# Altium PCB LimePSB-RPCM_1v5.PcbDoc (part 4 of 12) (continued)
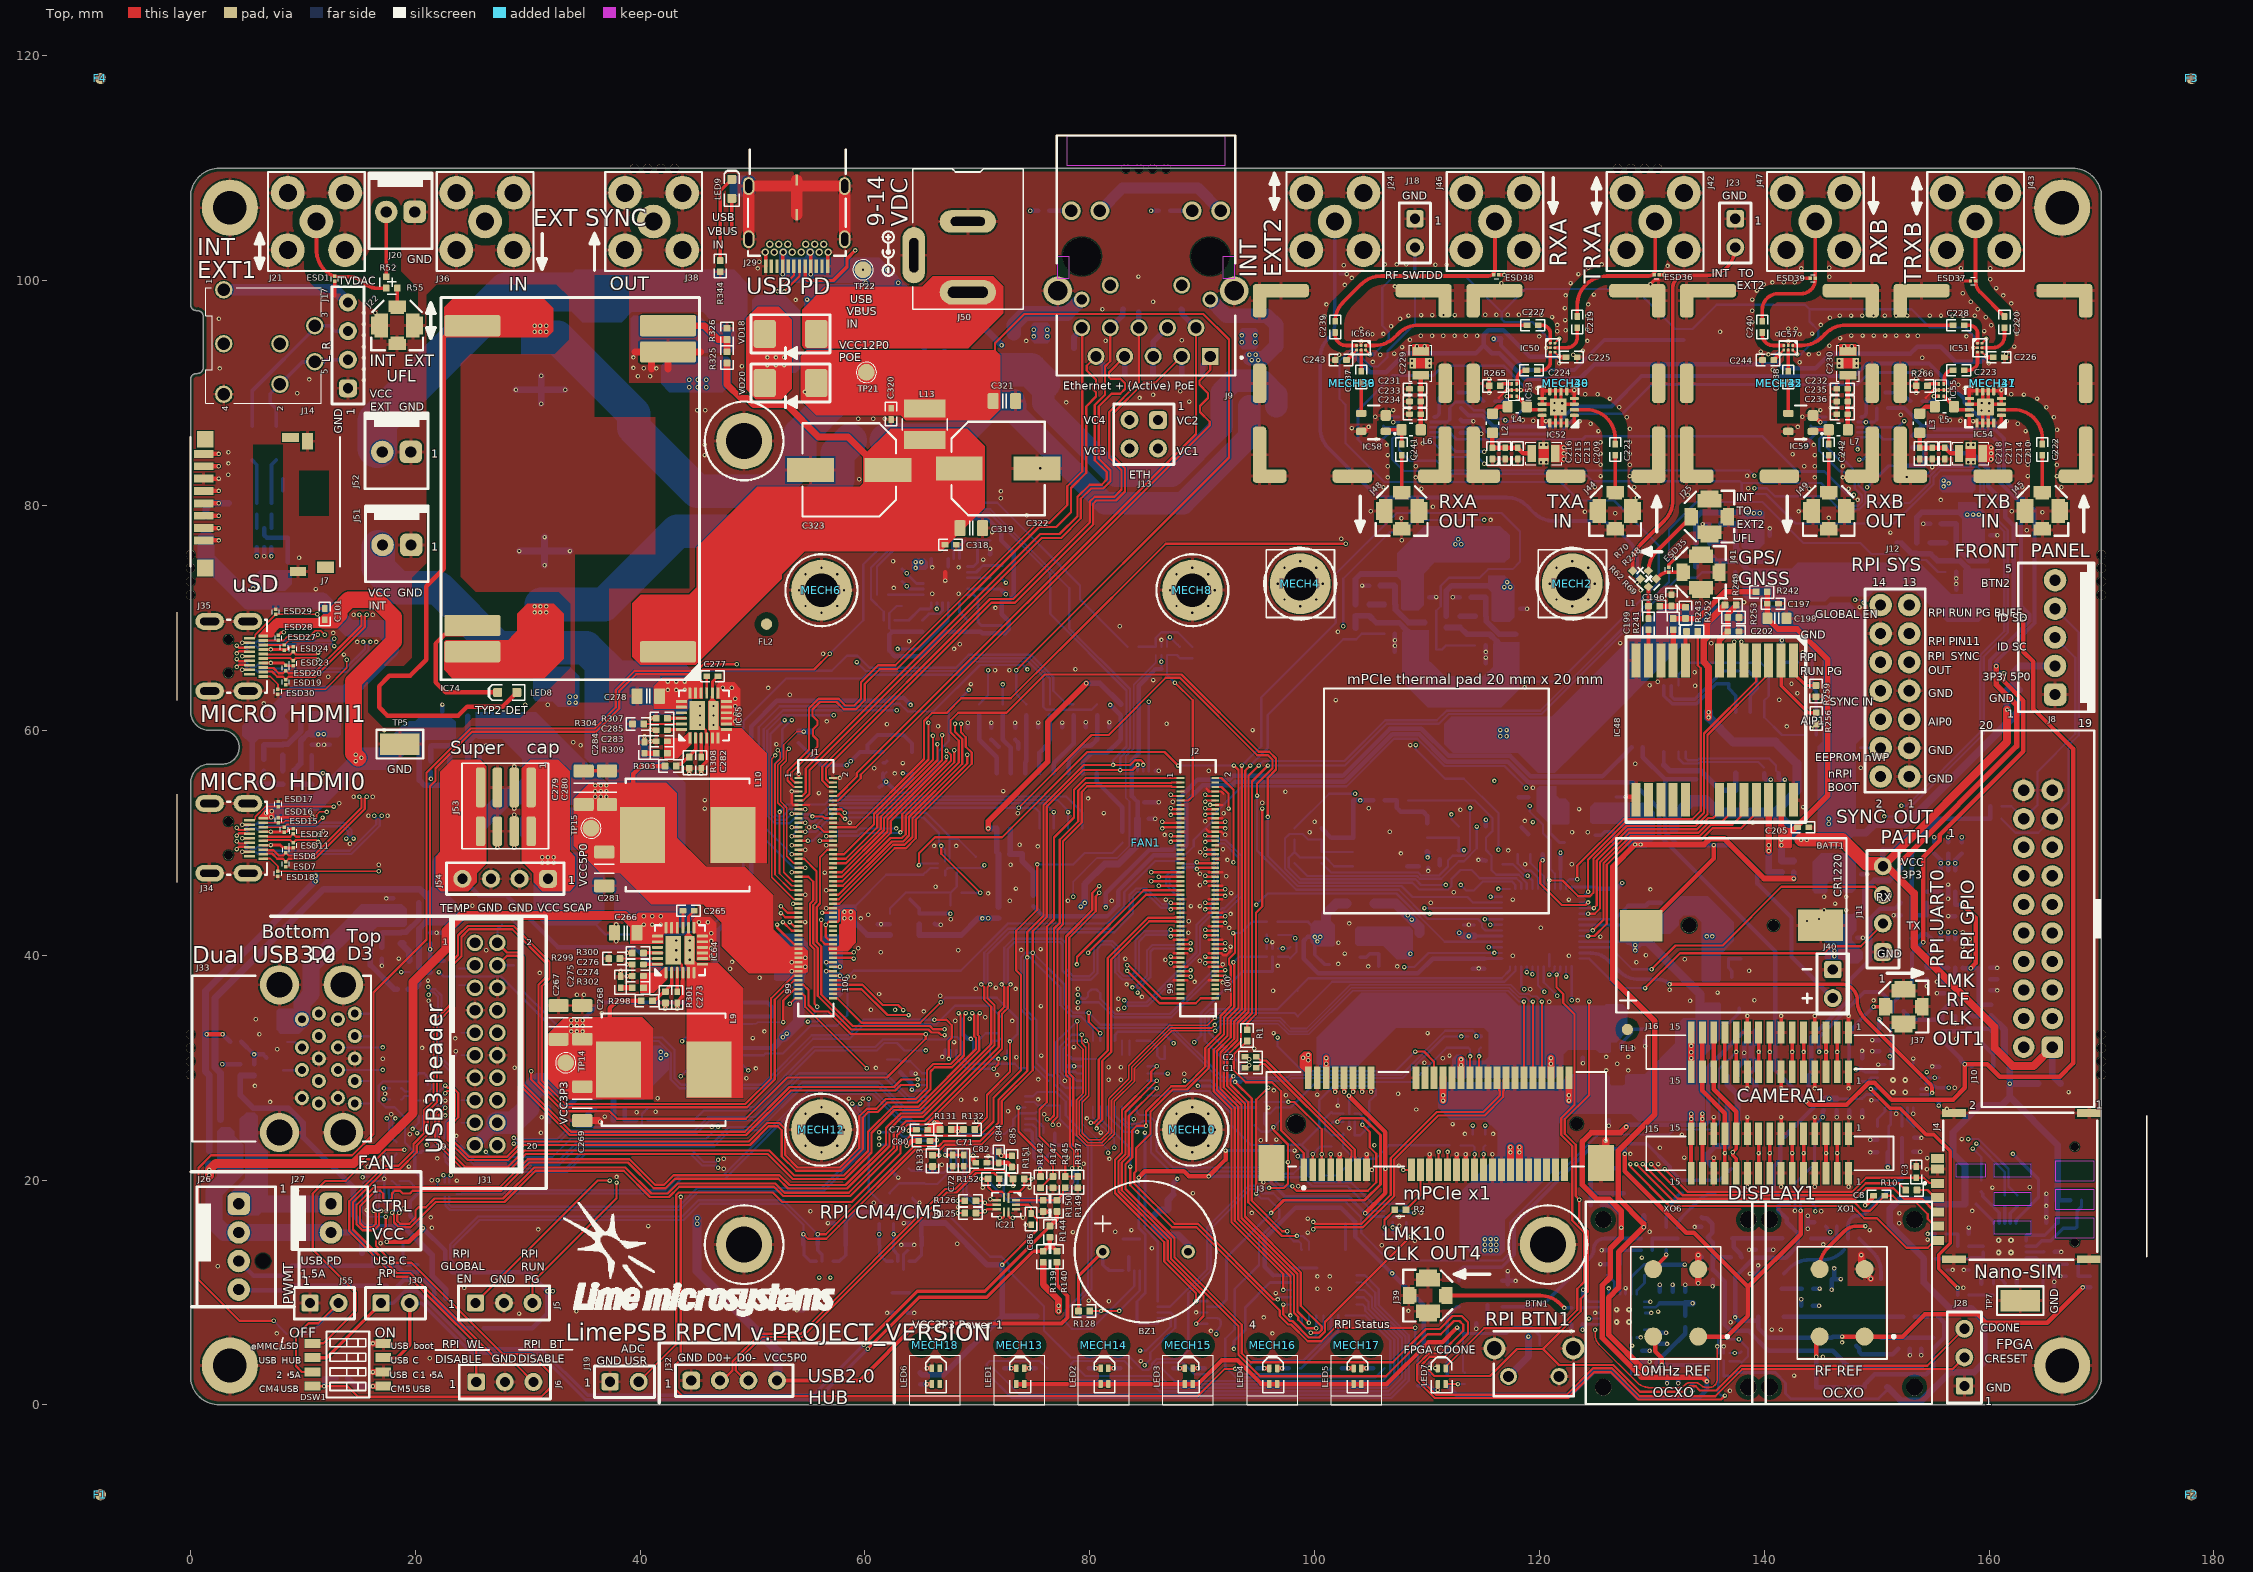
[diagram p0: Top view]
## Part data (continued)
R313 R321: library part Res_0402, Case/Package=0402, Case Code (Metric)=1005, Manufacturer=Yageo, Manufacturer Part Number 1=RC0402FR-071K2L, Max Operating Temperature=155°C, Max Power Dissipation=63mW, Min Operating Temperature=-55°C, Package Quantity=1, Resistance=1.2kR, Resistance Tolerance=1%, Resistor Type="Thick Film", Supplier Part Number 1=311-1.20KLRCT-ND, Temperature Coefficient=100ppm/°C, Voltage Rating=50V, Case Code (Imperial)=0402, ComponentLink1Description=https://datasheet.ciiva.com/11808/0900766b80c66297-11808455.pdf?src-supplier=RSComponents, ComponentLink1URL=https://datasheet.ciiva.com/11808/0900766b80c66297-11808455.pdf?src-supplier=RSComponents, ComponentLink2Description=https://datasheet.ciiva.com/2453/pyu-r-int-thick-7-2453467.pdf?src-supplier=Digi-Key, ComponentLink2URL=https://datasheet.ciiva.com/2453/pyu-r-int-thick-7-2453467.pdf?src-supplier=Digi-Key, ComponentLink3Description=https://datasheet.ciiva.com/2453/pyu-r-int-thick-7-2453468.pdf?src-supplier=Digi-Key, ComponentLink3URL=https://datasheet.ciiva.com/2453/pyu-r-int-thick-7-2453468.pdf?src-supplier=Digi-Key, ComponentLink4Description=https://datasheet.ciiva.com/2453/pyu-r-int-thick-7-2453466.pdf?src-supplier=Digi-Key, ComponentLink4URL=https://datasheet.ciiva.com/2453/pyu-r-int-thick-7-2453466.pdf?src-supplier=Digi-Key, ComponentLink5Description=https://datasheet.ciiva.com/7849/1018594-7849861.pdf?src-supplier=Element14, ComponentLink5URL=https://datasheet.ciiva.com/7849/1018594-7849861.pdf?src-supplier=Element14, ComponentLink6Description=https://datasheet.ciiva.com/7849/1018594-7849862.pdf?src-supplier=Element14, ComponentLink6URL=https://datasheet.ciiva.com/7849/1018594-7849862.pdf?src-supplier=Element14, ComponentLink7Description=https://datasheet.ciiva.com/15189/getdatasheetpartid-323716-15189366.pdf?src-supplier=Verical, ComponentLink7URL=https://datasheet.ciiva.com/15189/getdatasheetpartid-323716-15189366.pdf?src-supplier=Verical, ComponentLink8Description=https://datasheet.ciiva.com/16745/pyu-rc0402-51-rohs-l-6-r-16745005.pdf?src-supplier=Future+Electronics, ComponentLink8URL=https://datasheet.ciiva.com/16745/pyu-rc0402-51-rohs-l-6-r-16745005.pdf?src-supplier=Future+Electronics, Construction=Rectangular, Depth=0.5mm, Features="Moisture Resistant", Height=0.016inch, Lead Free="Lead Free", Length=1mm, Military Standard=Not, Number of Terminations=2, Packaging="Tape and Reel", Part Description="1.2 kOhms ±1% 0.063W, 1/16W Chip Resistor 0402 (1005 Metric) Moisture Resistant Thick Film", Power Rating=63mW, Pricing 1="1=0,10000, 10=0,01500, 100=0,00610, 1000=0,00275, 2500=0,00239, 5000=0,00197 (USD)", REACH SVHC=Unknown, RoHS=Yes, RoHS Compliant=Yes, Series=RC, Size Code=0402, Stock 1=1348237, Supplier 1=Digi-Key, Technology="THICK FILM", Termination=SMD/SMT, Tolerance=1%, Width=0.02inch
R316 R322: library part Res_0402, Manufacturer=Yageo, Manufacturer Part Number 1=RC0402FR-07510RL, Operating Temperature="-55°C ~ 155°C", Package / Case="0402 (1005 Metric)", Power (Watts)="0.063W, 1/16W", Supplier Device Package=0402, Supplier Part Number 1=311-510LRCT-ND, Temperature Coefficient=±100ppm/°C, Tolerance=±1%, Category=Resistors, Composition="Thick Film", Failure Rate=-, Features="Moisture Resistant", Height - Seated (Max)="0.016\" (0.40mm)", Packaging="Cut Tape (CT)", Part Description="510 Ohms ±1% 0.063W, 1/16W Chip Resistor 0402 (1005 Metric) Moisture Resistant Thick Film", Part Status=Active, RoHS="RoHS Compliant", Size / Dimension="0.039\" L x 0.020\" W (1.00mm x 0.50mm)", Supplier 1=Digi-Key
R318 R340 R341 R342: library part Res_0402, Manufacturer=Yageo, Manufacturer Part Number 1=RC0402FR-072K4L, Operating Temperature="-55°C ~ 155°C", Package / Case="0402 (1005 Metric)", Power (Watts)="0.063W, 1/16W", Resistance (Ohms)=2.4k, Supplier Device Package=0402, Supplier Part Number 1=311-2.40KLRCT-ND, Temperature Coefficient=±100ppm/°C, Tolerance=±1%, Category=Resistors, Composition="Thick Film", Failure Rate=-, Features="Moisture Resistant", Height - Seated (Max)="0.016\" (0.40mm)", Packaging="Cut Tape (CT)", Part Description="2.4 kOhms ±1% 0.063W, 1/16W Chip Resistor 0402 (1005 Metric) Moisture Resistant Thick Film", Part Status=Active, RoHS="RoHS Compliant", Size / Dimension="0.039\" L x 0.020\" W (1.00mm x 0.50mm)", Supplier 1=Digi-Key
R323 R324: library part Res_0402, Manufacturer=Yageo, Manufacturer Part Number 1=RC0402FR-0768RL, Operating Temperature="-55°C ~ 155°C", Package / Case="0402 (1005 Metric)", Power (Watts)="0.063W, 1/16W", Supplier Device Package=0402, Supplier Part Number 1=311-68.0LRCT-ND, Temperature Coefficient=±100ppm/°C, Tolerance=±1%, Category=Resistors, ComponentLink1Description=http://www.yageo.com/documents/recent/PYu-RC_Group_51_RoHS_L_9.pdf, ComponentLink1URL=http://www.yageo.com/documents/recent/PYu-RC_Group_51_RoHS_L_9.pdf, Composition="Thick Film", Failure Rate=-, Features="Moisture Resistant", Height - Seated (Max)="0.016\" (0.40mm)", Packaging="Cut Tape (CT)", Part Description="68 Ohms ±1% 0.063W, 1/16W Chip Resistor 0402 (1005 Metric) Moisture Resistant Thick Film", Part Status=Active, Pricing 1="1=0.1, 10=0.014, 100=0.0056, 1000=0.00253, 2500=0.0022, 5000=0.00181 (USD)", RoHS="RoHS Compliant", Size / Dimension="0.039\" L x 0.020\" W (1.00mm x 0.50mm)", Stock 1=1011982, Supplier 1=Digi-Key
R325: library part Res_0402, Case/Package=0402, Case Code (Metric)=1005, Manufacturer=Yageo, Manufacturer Part Number 1=RC0402FR-0768KL, Max Operating Temperature=155°C, Max Power Dissipation=63mW, Min Operating Temperature=-55°C, Package Quantity=1, Resistance=68kR, Resistance Tolerance=1%, Resistor Type="Thick Film", Supplier Part Number 1=311-68.0KLRCT-ND, Temperature Coefficient=100ppm/°C, Voltage Rating=50V, Case Code (Imperial)=0402, ComponentLink1Description=https://datasheet.ciiva.com/12576/pyu-ac-51-rohs-l-2-12576779.pdf?src-supplier=Mouser, ComponentLink1URL=https://datasheet.ciiva.com/12576/pyu-ac-51-rohs-l-2-12576779.pdf?src-supplier=Mouser, ComponentLink2Description=https://datasheet.ciiva.com/2553/pyu-r-int-thick-7-2553216.pdf?src-supplier=Digikey, ComponentLink2URL=https://datasheet.ciiva.com/2553/pyu-r-int-thick-7-2553216.pdf?src-supplier=Digikey, ComponentLink3Description=https://datasheet.ciiva.com/2553/pyu-r-int-thick-7-2553217.pdf?src-supplier=Digikey, ComponentLink3URL=https://datasheet.ciiva.com/2553/pyu-r-int-thick-7-2553217.pdf?src-supplier=Digikey, ComponentLink4Description=https://datasheet.ciiva.com/2553/pyu-r-int-thick-7-2553215.pdf?src-supplier=Digikey, ComponentLink4URL=https://datasheet.ciiva.com/2553/pyu-r-int-thick-7-2553215.pdf?src-supplier=Digikey, ComponentLink5Description=https://datasheet.ciiva.com/7850/1018594-7850072.pdf?src-supplier=Element14, ComponentLink5URL=https://datasheet.ciiva.com/7850/1018594-7850072.pdf?src-supplier=Element14, ComponentLink6Description=https://datasheet.ciiva.com/7850/1018594-7850073.pdf?src-supplier=Element14, ComponentLink6URL=https://datasheet.ciiva.com/7850/1018594-7850073.pdf?src-supplier=Element14, ComponentLink7Description=https://datasheet.ciiva.com/16781/pyu-rc0402-51-rohs-l-6-r-16781001.pdf?src-supplier=Future+Electronics, ComponentLink7URL=https://datasheet.ciiva.com/16781/pyu-rc0402-51-rohs-l-6-r-16781001.pdf?src-supplier=Future+Electronics, Construction=Rectangular, Depth=0.5mm, Features="Moisture Resistant", Height=0.016inch, Lead Free=5697LeadFree, Length=0.039inch, Military Standard=Not, Number of Terminations=2, Packaging="Tape and Reel", Part Description="68 kOhms ±1% 0.063W, 1/16W Chip Resistor 0402 (1005 Metric) Moisture Resistant Thick Film", Power Rating=63mW, Pricing 1="1=0,1, 10=0,009, 50=0,0072, 500=0,0051, 5000=0,00306 (USD)", Reach SVHC Compliant=Unknown, RoHS=Yes, RoHS Compliant=Yes, Series=RC, Size Code=0402, Stock 1=520340, Supplier 1=Digikey, Termination=SMD/SMT, Tolerance=1%, Voltage Rating (AC)=50V, Width=0.02inch
R334 R335 R336 R337: library part Res_0603, Case/Package=0402, Case Code (Metric)=1005, Manufacturer=Yageo, Manufacturer Part Number 1=RC0402JR-075K1L, Max Operating Temperature=155°C, Max Power Dissipation=63mW, Min Operating Temperature=-55°C, Power Rating=62.5mW, Resistance=5.1kR, Resistance Tolerance=5%, Resistor Type="Thick Film", Supplier Part Number 1=311-5.1KJRCT-ND, Temperature Coefficient=100ppm/°C, Voltage Rating=50V, Case Code (Imperial)=0402, ComponentLink1Description=https://datasheet.ciiva.com/7983/1018594-7983595.pdf?src-supplier=Element14, ComponentLink1URL=https://datasheet.ciiva.com/7983/1018594-7983595.pdf?src-supplier=Element14, ComponentLink2Description=https://datasheet.ciiva.com/16740/pyu-rc0402-51-rohs-l-6-r-16740925.pdf?src-supplier=Future+Electronics, ComponentLink2URL=https://datasheet.ciiva.com/16740/pyu-rc0402-51-rohs-l-6-r-16740925.pdf?src-supplier=Future+Electronics, Construction=Rectangular, Depth=0.5mm, Features="Moisture Resistant", Height=0.35mm, Lead Free="Lead Free", Length=1mm, Military Standard=Not, Number of Terminations=2, Packaging="Tape and Reel", Part Description="RES 5.1K OHM 5% 1/16W 0402", Pricing 1="1=0,10000, 10=0,01300, 100=0,00520, 1000=0,00233, 2500=0,00202, 5000=0,00167 (USD)", REACH SVHC="No SVHC", RoHS=Yes, RoHS Compliant=Yes, Series=RC, Size Code=0402, Stock 1=1066675, Supplier 1=Digi-Key, Termination=SMD/SMT, Tolerance=5%, Voltage Rating (DC)=50V, Weight=2.3E-05oz, Width=0.5mm
TP1 TP2 TP3 TP4 TP9 TP10 TP11 TP12 TP13 TP14 TP15 TP16 TP17 TP18 TP19 TP20 TP21 TP22: "Test Point PCB mount Miniature White"
TP5 TP6 TP7 TP8: "Test Point PCB mount Miniature White", Color=Natural, Manufacturer="Harwin Inc", Manufacturer Part Number 1=S1751-46R, Supplier Part Number 1=952-1478-2-ND, Category="Test and Measurement", Material="Copper Alloy", Mounting Type="Surface Mount", Packaging="Tape & Reel (TR)", Part Description="Natural PC Test Point 0.128\" x 0.065\" x 0.079\" (3.25mm x 1.65mm x 2.00mm) Brass, Tin Plating Surface Mount Mounting Type", RoHS="RoHS Compliant", Supplier 1=Digi-Key, Terminal="0.128\" x 0.065\" x 0.079\" (3.25mm x 1.65mm x 2.00mm) Brass, Tin Plated", Type="PC Test Point"
VD1 VD2 VD3 VD4 VD5 VD6 VD7 VD8 VD10 VD11 VD12 VD13 VD14 VD15 VD16 VD17: library part DIODE_TVS, Manufacturer="Sangdest Microelectronics", Manufacturer Part Number=SD03LCC, Supplier Part Number 1=1655-SD03LCCCT-ND, ComponentLink1Description=https://datasheet.ciiva.com/29588/littelfuse-tvs-diode-array-sp4020-datasheet-pdf-29588193.pdf?src-supplier=Digi-Key, ComponentLink1URL=https://datasheet.ciiva.com/29588/littelfuse-tvs-diode-array-sp4020-datasheet-pdf-29588193.pdf?src-supplier=Digi-Key, ComponentLink2Description=https://datasheet.ciiva.com/24111/littelfuse-sp4020-267385-24111169.pdf?src-supplier=Mouser, ComponentLink2URL=https://datasheet.ciiva.com/24111/littelfuse-sp4020-267385-24111169.pdf?src-supplier=Mouser, Manufacturer 1="Sangdest Microelectronics", Manufacturer Part Number 1=SD03LCC, Part Description="19V Clamp 20A (8/20µs) Ipp Tvs Diode Surface Mount SOD-323", Pricing 1="1=0,37000, 10=0,27300, 100=0,15460, 500=0,10240, 1000=0,07851 (USD)", RoHS=No, Stock 1=8808, Supplier 1=Digi-Key
VD9 VD18 VD19 VD20 VD22: library part DIODE_SCHOTTKY_SOD-523F, "Diode Schottky SMD SOD-523F", Capacitance @ Vr, F="250pF @ 4V, 1MHz", Current - Average Rectified (Io)=3A, Current - Reverse Leakage @ Vr="500µA @ 60V", Manufacturer="Micro Commercial Co", Manufacturer Part Number 1=SK36A-LTP, Operating Temperature - Junction="-50°C ~ 125°C", Package / Case="DO-214AC, SMA", Supplier Device Package="DO-214AC (SMA)", Supplier Part Number 1=SK36A-LTPMSCT-ND, Voltage - DC Reverse (Vr) (Max)=60V, Voltage - Forward (Vf) (Max) @ If="750mV @ 3A", Category="Discrete Semiconductor Products", Diode Type=Schottky, Mounting Type="Surface Mount", Packaging="Cut Tape (CT)", Part Description="DIODE SCHOTTKY 60V 3A DO214AC", Reverse Recovery Time (trr)=-, RoHS="RoHS Compliant", Speed="Fast Recovery =< 500ns, > 200mA (Io)", Supplier 1=Digi-Key
VD21: library part DIODE_TVS_UNIDIR, "SMAJ12CA-13-F", Breakdown Voltage=15.6V, Case/Package=DO-214AA, Clamping Voltage=23.2V, Manufacturer="Taiwan Semiconductor", Max Operating Temperature=150°C, Max Surge Current=100A, Min Operating Temperature=-65°C, Operating Supply Voltage=14V, Package Quantity=3000, Peak Pulse Power=600W, Supplier Part Number 1=SMBJ14AFSCT-ND, ComponentLink1Description=http://www.farnell.com/datasheets/2358777.pdf?src-supplier=Farnell, ComponentLink1URL=http://www.farnell.com/datasheets/2358777.pdf?src-supplier=Farnell, ComponentLink2Description=http://www.mouser.com/ds/2/395/SMBJ%20SERIES-231843.pdf?src-supplier=Mouser, ComponentLink2URL=http://www.mouser.com/ds/2/395/SMBJ%20SERIES-231843.pdf?src-supplier=Mouser, ComponentLink3Description=http://www.farnell.com/datasheets/2358777.pdf?src-supplier=Element14, ComponentLink3URL=http://www.farnell.com/datasheets/2358777.pdf?src-supplier=Element14, Height=2.44mm, Lead Free="Lead Free", Length=5.59mm, Manufacturer Part Number 1=SMBJ14A, Number of Channels=1, Number of Pins=2, Packaging="Tape and Reel", Part Description="23.2V Clamp 25.9A Ipp Tvs Diode Surface Mount DO-214AA (SMB)", Polarity=Unidirectional, Power Rating=600W, Pricing 1="1=0,54000, 10=0,46400, 100=0,34630, 500=0,27212, 1000=0,21028 (USD)", RoHS=Yes, RoHS Compliant=Yes, Stock 1=17494, Supplier 1=Digi-Key, Voltage Rating (DC)=14V, Width=3.94mm
VD23: library part DIODE_TVS_UNIDIR, Base Part Number=SMAJ58, Capacitance @ Frequency=-, Current - Peak Pulse (10/1000µs)=4.3A, Manufacturer="Diodes Incorporated", Manufacturer Part Number 1=SMAJ58A-13-F, Operating Temperature="-55°C ~ 150°C (TJ)", Package / Case="DO-214AC, SMA", Power - Peak Pulse=400W, Power Line Protection=No, Supplier Device Package=SMA, Supplier Part Number 1=SMAJ58A-13-FDICT-ND, Voltage - Breakdown (Min)=64.4V, Voltage - Clamping (Max) @ Ipp=93.6V, Voltage - Reverse Standoff (Typ)=58V, Applications="General Purpose", Category="Circuit Protection", Mounting Type="Surface Mount", Packaging="Cut Tape (CT)", Part Description="TVS DIODE 58V 93.6V SMA", Part Status=Active, RoHS="RoHS Compliant", Supplier 1=Digi-Key, Type=Zener
VT1 VT2: library part NDS331N, "NDS331N", Current - Continuous Drain (Id) @ 25°C="6.3A (Ta)", Drive Voltage (Max Rds On,  Min Rds On)="2.5V, 4.5V", Input Capacitance (Ciss) (Max) @ Vds="700pF @ 16V", Manufacturer="Infineon Technologies", Manufacturer Part Number 1=IRLML6244TRPBF, Operating Temperature="-55°C ~ 150°C (TJ)", Package / Case="TO-236-3, SC-59, SOT-23-3", Power Dissipation (Max)="1.3W (Ta)", Supplier Device Package=Micro3™/SOT-23, Supplier Part Number 1=IRLML6244TRPBFTR-ND, Category="Discrete Semiconductor Products", ComponentLink1Description=https://www.infineon.com/dgdl/irlml6244pbf.pdf?fileId=5546d462533600a4015356686fed261f, ComponentLink1URL=https://www.infineon.com/dgdl/irlml6244pbf.pdf?fileId=5546d462533600a4015356686fed261f, FET Feature=-, FET Type=N-Channel, Gate Charge (Qg) (Max) @ Vgs="8.9nC @ 4.5V", Mounting Type="Surface Mount", Packaging="Tape & Reel (TR)", Part Description="N-Channel 20V 6.3A (Ta) 1.3W (Ta) Surface Mount Micro3™/SOT-23", Part Status=Active, Pricing 1="3000=0.09979 (USD)", Rds On (Max) @ Id, Vgs="21 mOhm @ 6.3A, 4.5V", RoHS="RoHS Compliant", Stock 1=21000, Supplier 1=Digi-Key, Technology="MOSFET (Metal Oxide)", Vgs (Max)=±12V, Vgs(th) (Max) @ Id="1.1V @ 10µA"
XO1: library part AOCJYR-10.000MHz, Frequency Nom, MHz=30.72, Frequency Stability +/-, ppb=20, Manufacturer=Rakon, Oscillator Case="SMD, 9.7mm x 7.5", Supplier Part Number 1=U7475LF, Supply Voltage Nom=3.3, Manufacturer Part Number 1="U7475LF 30.72MHz", Oscillator Output Compatibility=CMOS, Part Description="ROM9070SA 30.72MHz MERC+ 9x7 HOT RC2.5 3.3V PULL", Supplier 1=Rakon
XO2 XO7: library part RPT7050A, Manufacturer=Rakon, Manufacturer Part Number 1=E6245LF, Part Description="TCXO 30.72MHz, E6245LF", Supplier 1=Rakon, Supplier Part Number 1=E6245LF
XO3 XO8: library part TXCO, Manufacturer=Rakon, Manufacturer Part Number 1=E5280LF, Part Description="TCXO 30.72MHz, E5280LF", Supplier 1=Rakon, Supplier Part Number 1=E5280LF
XO4 XO9: library part Rakon_RTX5032A, Manufacturer=Rakon, Manufacturer Part Number 1=RTX5032A, Part Description="RTX5032A 40MHz, High performance TCXO, With VC, Filter Enabled, 10-pin 5mm x 3.2 mm x 1.65 mm package", Supplier 1=RAKON, Supplier Part Number 1=RTX5032A
XO5 XO10: library part ASVTX-12-A-38.400MHZ-H10-T_CRYSTAL, "Oscillator Crystal", Case/Package=SMD/SMT, Frequency=38.4MHz, Frequency Stability=1ppm, Manufacturer=Abracon, Manufacturer Part Number 1=ASVTX-12-A-38.400MHZ-H10-T, Max Operating Temperature=85°C, Max Supply Current=2.5mA, Min Operating Temperature=-30°C, Operating Supply Voltage=3V, Package Quantity=1000, Supplier Part Number 1=535-11790-1-ND, ComponentLink1Description=https://datasheet.ciiva.com/5466/astx12-asvtx12-8609-5466673.pdf?src-supplier=Mouser, ComponentLink1URL=https://datasheet.ciiva.com/5466/astx12-asvtx12-8609-5466673.pdf?src-supplier=Mouser, ComponentLink2Description=https://datasheet.ciiva.com/867/astx12-asvtx12-867453.pdf?src-supplier=Digi-Key, ComponentLink2URL=https://datasheet.ciiva.com/867/astx12-asvtx12-867453.pdf?src-supplier=Digi-Key, ComponentLink3Description=https://datasheet.ciiva.com/867/astx12-asvtx12-867454.pdf?src-supplier=Digi-Key, ComponentLink3URL=https://datasheet.ciiva.com/867/astx12-asvtx12-867454.pdf?src-supplier=Digi-Key, ComponentLink4Description=https://datasheet.ciiva.com/867/astx12-asvtx12-867455.pdf?src-supplier=Digi-Key, ComponentLink4URL=https://datasheet.ciiva.com/867/astx12-asvtx12-867455.pdf?src-supplier=Digi-Key, Height=0.035inch, Length=0.098inch, Mount="Surface Mount", Packaging="Tape and Reel", Part Description="38.4MHz VCTCXO Clipped Sine Wave Oscillator 3V  4-SMD, No Lead", Pricing 1="1 = 3,58000, 10 = 3,41000, 50 = 3,23960, 100 = 2,89850, 500 = 2,72800 (USD)", RoHS=Yes, Stock 1=1680, Supplier 1=Digi-Key, Termination=SMD/SMT, Width=0.079inch
XO6: library part AOCJYR-10.000MHz, Frequency Nom, MHz=10.0, Frequency Stability +/-, ppb=20, Manufacturer=Rakon, Manufacturer Part Number 1=U8073LF, Oscillator Case="SMD, 9.7mm x 7.5", Supply Voltage Nom=3.3, Oscillator Output Compatibility=CMOS, Part Description="ROM9070PA 10.0MHz MERC+ 9x7 HOT CMOS 3.3V PULL", Supplier 1=Rakon, Supplier Part Number 1=U8073LF
XT1: library part CRYSTAL_2PIN_RTC_RT3215, Manufacturer="Raltron Electronics", Manufacturer Part Number 1=RT3215-32.768-12.5-TR-10PPM, Supplier Part Number 1=2151-RT3215-32.768-12.5-TR-10PPMTR-ND, ComponentLink1Description=https://datasheet.octopart.com/RT3215-32.768-12.5-TR-10PPM-Raltron-Electronics-datasheet-12522443.pdf?src-supplier=Future+Electronics, ComponentLink1URL=https://datasheet.octopart.com/RT3215-32.768-12.5-TR-10PPM-Raltron-Electronics-datasheet-12522443.pdf?src-supplier=Future+Electronics, ComponentLink2Description=https://datasheet.octopart.com/RT3215-32.768-12.5-TR-10PPM-Raltron-Electronics-datasheet-62112304.pdf?src-supplier=Future+Electronics, ComponentLink2URL=https://datasheet.octopart.com/RT3215-32.768-12.5-TR-10PPM-Raltron-Electronics-datasheet-62112304.pdf?src-supplier=Future+Electronics, ComponentLink3Description=https://datasheet.octopart.com/RT3215-32.768-12.5-TR-10PPM-Raltron-Electronics-datasheet-82614827.pdf?src-supplier=Future+Electronics, ComponentLink3URL=https://datasheet.octopart.com/RT3215-32.768-12.5-TR-10PPM-Raltron-Electronics-datasheet-82614827.pdf?src-supplier=Future+Electronics, Lead Free="Lead Free", Part Description="32.768 kHz ±10ppm Crystal 12.5pF 70 kOhms 2-SMD, No Lead", Pricing 1="3000=0,39875, 6000=0,38500, 15000=0,37125 (USD)", RoHS Compliant=Yes, Stock 1=21000, Supplier 1=Digi-Key
XT2: library part CRYSTAL_19M2, "Oscillator Crystal 25 MHz", Manufacturer=Abracon, Manufacturer Part Number 1=ABM8-24.000MHZ-D1G-T, Supplier Part Number 1=535-14395-1-ND, ComponentLink1Description=https://abracon.com/Resonators/abm8.pdf?src-supplier=Digi-Key, ComponentLink1URL=https://abracon.com/Resonators/abm8.pdf?src-supplier=Digi-Key, Part Description="24 MHz ±10ppm Crystal 18pF 50 Ohms 4-SMD, No Lead", Pricing 1="1=0,47000, 10=0,39100, 50=0,35220, 100=0,31310, 500=0,29744 (USD)", RoHS=Yes, RoHS Compliant=Yes, Stock 1=15503, Supplier 1=Digi-Key

## Free pads (board coordinates)
  round 0.8 hole 0.8 unplated: 0(0,29.375) 0(0,30.55) 0(0,31.75) 0(0,32.95) 0(0,72.05) 0(0,73.25) 0(0,74.45) 0(0,75.625) 0(39.475,110) 0(40.65,110) 0(41.85,110) 0(43.05,110) 0(83.212,110) 0(84.387,110) 0(85.587,110) 0(86.788,110) 0(126.95,110) 0(128.15,110) 0(129.35,110) 0(130.525,110) 0(170,29.375) 0(170,30.55) 0(170,31.75) 0(170,32.95) 0(170,72.05) 0(170,73.25) 0(170,74.45) 0(170,75.625)
  rrect20% 0.5x0.6 smd far side mask+0.05: 2(130.825,43.325) 2(130.825,44.325)

## Via types
v1: diameter 0.4, hole 0.2, Top to Bottom, tented both sides, 1884 vias
v2: diameter 0.5, hole 0.2, Top to Bottom, tented both sides, 24 vias

## Nets (pads, with @x,y where several pads share a name; then routed paths per layer and width w, separated by ;. In a path a pad name is that pad's centre, name@x,y a point inside that pad or via, vN(x,y) a via of type N, cw(c..) or ccw(c..) an arc to the next point about the centre after c; other vN are vias at no path point)
ADC_USR: J19.2 R49.1 | length 83.3
  Top w0.2: J19.2@39.87,2.05 43.2,5.38 43.2,18.666 43.434,18.9 51.8,18.9 52.65,18.05 58.825,18.05 63.163,22.388 63.163,23.088 64.025,23.95 70.175,23.95 71.425,25.2 71.425,27.325 73.875,29.775 73.875,38.225 73.45,38.65 73.45,42.175 75.325,44.05 v1(75.325,48.075)
  Bottom w0.2: v1(75.325,48.075) 78.536,48.075 79.561,49.1 82,49.1 R49.1@82.9,50
ADC_USR_DIV: C33.1 IC6.8 R49.2 R54.1 | length 6.2
  Bottom w0.4: IC6.8@80.603,56.177 80.603,55.358 80.692,55.358 82.8,53.25 82.8,53.2 82.85,53.15 C33.1@82.9,53.15 R54.1@82.9,52.1 R49.2@82.9,51
ADF_MUXOUT: IC15.1 IC37.15 R205.1 | length 102.1
  L3 w0.1: v1(81.625,22.425) 81.925,22.425 83.1,21.25 83.1,20.98 84.28,19.8 85,19.8 87.85,16.95 93.25,16.95 93.8,16.4 96.7,16.4 97.25,16.95 103.55,16.95 104.15,16.35 109.925,16.35 110.525,16.95 122.125,16.95 123.925,15.15 127.55,15.15 129.6,17.2 137.6,17.2 138.2,17.8 148.125,17.8 148.725,17.2 149.203,17.2 149.525,17.522 149.525,17.525 149.75,17.75 157.55,17.75 v1(162.125,22.325)
  Bottom w0.15: IC15.1@79.3,27.525 79.3,25.025 81.625,22.7 v1(81.625,22.425)
  Bottom w0.3: v1(162.125,22.325) 164.4,20.05 164.4,18.45 R205.1@163.6,17.65 162.4,16.45 IC37.15@162.4,16.15
ADF_REFIN: C155.2 IC33.4 R186.1 R187.1 R191.2 | length 27.7
  L4 w0.1: v1(137.748,5.825) 138.2,6.277 138.2,7.72 145.83,15.35 v1(145.875,15.35) 145.9,15.375 147.7,15.375 147.875,15.2 v1(154.525,15.2)
  Bottom w0.2: IC33.4@136.9,3.887 137.837,3.887 R187.1@137.975,3.75 138.55,4.325 138.55,5.023 v1(137.748,5.825) R186.1@136.9,5.825
  Bottom w0.3: R191.2@145.45,15.9 145.6,15.75 145.6,15.625 v1(145.875,15.35)
  Bottom w0.325: v1(154.525,15.2) C155.2@155.2,15.2
ADF_REFIN_SEL: IC15.20 IC33.6 | length 94
  Top w0.2: v1(85.95,28.175) 83.475,25.7 83.475,22.176 82.85,21.551 82.85,19.1 87.225,14.725 87.225,13 93.225,7 93.225,4.466 95.141,2.55 106.325,2.55 110.05,6.275 111.225,6.275 112.4,7.45 112.9,7.45 113.225,7.125 113.225,6.599 111.201,4.575 110.125,4.575 109.125,3.575 109.125,2.155 110.68,0.6 122.549,0.6 124.849,2.9 126.375,2.9 128.8,0.475 136.15,0.475 v1(136.5,0.825)
  Bottom w0.2: IC15.20@85.15,28.175 v1(85.95,28.175) ; IC33.6@135.9,3.887 135.9,1.075 136.15,0.825 v1(136.5,0.825)
ADF_RFIN: C143.2 IC31.3 | length 23.8
  Top w0.325: v1(149.475,28.1) 151.175,26.4 152.05,26.4 154.4,24.05 155.075,24.05 156.55,22.575 156.55,14.386 155.525,13.361 155.525,12.1 v1(157.2,10.425)
  Bottom w0.25: v1(149.475,28.1) IC31.3@150,28.1
  Bottom w0.325: C143.2@157.2,9.775 v1(157.2,10.425)
AUDIO_L: C22.1 J14.2 J14.5 J17.2 R37.1 | length 11.3
  Bottom w0.325: C22.1@7.625,87.05 R37.1@7.625,88.6 7.1,89.125 7.1,89.95 J14.2@7.95,90.8 9.928,92.778 11.05,92.778 11.903,92.778 12.104,92.979 J17.2@14,92.979
AUDIO_R: C25.1 J14.3 J17.3 R39.2 | length 14.3
  Bottom w0.325: C25.1@5.475,87.05 R39.2@5.475,88.625 5.475,90.2 11.275,96 12.4,96 12.879,95.521 J17.3@14,95.521
BOM_VER0: IC18.26 R103.1 | length 8.6
  Top w0.2: v1(120.275,48.45) 120.075,48.25 120.075,46.375 121.975,44.475 124.1,44.475 v1(124.325,44.7)
  Bottom w0.2: IC18.26@123.575,44.7 v1(124.325,44.7)
  Bottom w0.4: v1(120.275,48.45) R103.1@120.275,49
BOM_VER1: IC18.19 R105.1 | length 3.6
  Bottom w0.2: R105.1@119.175,49 119.175,48.224 120.375,47.024 IC18.19@120.375,45.9
BOM_VER2: IC18.18 R106.1 | length 4.2
  Bottom w0.2: R106.1@118.075,49 118.075,48.175 118.725,47.525 119.25,47.525 119.875,46.9 IC18.18@119.875,45.9
BUZZER: J1.34 R30.1 R33.1 VT1.G | length 57.5
  Top w0.2: J1.34@57.165,49.375 56.65,49.375 55.995,48.72 55.995,44.595 55.7,44.3 55.7,41.174 56.1,40.774 56.1,36.507 58.907,33.7 65.775,33.7 66.05,33.425 v1(67.075,33.425)
  L3 w0.1: v1(67.075,33.425) 67.65,32.85 68.283,32.85 69.033,32.1 71.975,32.1 72.55,32.675 73.225,32.675 73.775,32.125 75.775,32.125 v1(87.8,20.1)
  Bottom w0.4: R33.1@87.41,18.69 87.41,19.71 v1(87.8,20.1)
  Bottom w0.6: R30.1@85.685,16.79 86.224,17.329 86.9,17.329 86.953,17.383 86.953,18.233 R33.1@87.41,18.69
CAM1_CLK_N: J2.27 J16.8 | length 75.8
  Top w0.2: v1(87.2,50.675) 87.3,50.575 J2.27@88.085,50.575
  Top w0.325: J16.8@140.5,29.625 v1(140.5,31.4) J16.8@140.5,33.125
  L3 w0.1: v1@87.209,50.675 87.409,50.475 87.933,50.475 88.783,49.625 89.325,49.625 89.575,49.875 89.575,50.225 88.9,50.9 88.9,54.158 89.692,54.95 91.208,54.95 91.675,54.483 91.675,53.908 91.883,53.7 92.925,53.7 93.15,53.925 93.15,54.55 93.55,54.95 95,54.95 116.45,33.5 139.3,33.5 140.1,32.7 140.1,31.8 v1(140.5,31.4)
CAM1_CLK_P: J2.29 J16.9 | length 75.5
  Top w0.2: v1(87.2,50.075) 87.3,50.175 J2.29@88.085,50.175
  Top w0.325: J16.9@139.5,29.625 v1(139.5,31.4) J16.9@139.5,33.125
  L3 w0.1: v1@87.209,50.075 87.409,50.275 87.85,50.275 88.7,49.425 89.408,49.425 89.775,49.792 89.775,50.308 89.1,50.983 89.1,54.075 89.775,54.75 91.125,54.75 91.475,54.4 91.475,53.825 91.8,53.5 93.008,53.5 93.35,53.842 93.35,54.467 93.633,54.75 94.917,54.75 99.907,49.76 116.367,33.3 139.217,33.3 139.9,32.617 139.9,31.8 v1(139.5,31.4)
CAM1_D0_N: J2.15 J16.2 | length 76.5
  Top w0.2: v1(87.2,53.075) 87.3,52.975 J2.15@88.085,52.975
  Top w0.325: J16.2@146.5,29.625 v1(146.5,31.4) J16.2@146.5,33.125
  L3 w0.1: v1@87.209,53.075 87.409,52.875 87.725,52.875 87.925,53.075 87.925,54.725 89.15,55.95 96.935,55.95 117.61,35.275 143.175,35.275 146.1,32.35 146.1,31.8 v1(146.5,31.4)
CAM1_D0_P: J2.17 J16.3 | length 76.2
  Top w0.2: v1(87.2,52.475) 87.3,52.575 J2.17@88.085,52.575
  Top w0.325: J16.3@145.5,29.625 v1(145.5,31.4) J16.3@145.5,33.125
  L3 w0.1: v1@87.209,52.475 87.409,52.675 87.808,52.675 88.125,52.992 88.125,54.642 89.233,55.75 96.852,55.75 117.527,35.075 143.092,35.075 145.9,32.267 145.9,31.8 v1(145.5,31.4)
CAM1_D1_N: J2.21 J16.5 | length 75.5
  Top w0.2: v1(86.45,51.875) 86.55,51.775 J2.21@88.085,51.775
  Top w0.325: J16.5@143.5,29.625 v1(143.5,31.4) J16.5@143.5,33.125
  L3 w0.1: v1@86.459,51.875 86.659,51.675 87.925,51.675 88.45,52.2 88.45,54.483 89.392,55.425 95.883,55.425 117.083,34.225 141.25,34.225 143.1,32.375 143.1,31.8 v1(143.5,31.4)
CAM1_D1_P: J2.23 J16.6 | length 75.1
  Top w0.2: v1(86.45,51.275) 86.55,51.375 J2.23@88.085,51.375
  Top w0.325: J16.6@142.5,29.625 v1(142.5,31.4) J16.6@142.5,33.125
  L3 w0.1: v1@86.459,51.275 86.659,51.475 88.008,51.475 88.65,52.117 88.65,52.6 88.65,54.4 89.475,55.225 95.8,55.225 117,34.025 141.167,34.025 142.9,32.292 142.9,31.8 v1(142.5,31.4)
CAM1_GPIO0: J1.97 J16.11 | length 136.7
  Top w0.2: J1.97@54.085,36.575 54.425,36.575 54.675,36.325 54.675,35.425 v1(60.15,29.95)
  Top w0.325: J16.11@137.5,29.625 v1(137.5,31.4) J16.11@137.5,33.125
  L3 w0.1: v1(60.15,29.95) 60.15,29.916 60.325,29.741 v1(60.325,27.225)
  Bottom w0.2: v1(60.325,27.225) 60.325,19.075 61.65,17.75 64.375,17.75 65.325,16.8 67.525,16.8 71.15,13.175 72.15,13.175 72.8,12.525 72.8,11.9 75.925,8.775 75.925,6.6 78.323,4.202 83.608,4.202 84.685,3.125 85.269,3.125 85.527,3.383 85.527,3.641 85.961,4.075 88,4.075 88.75,4.825 88.75,9.926 90.75,11.926 90.75,15.675 94.275,19.2 95.001,19.2 95.376,18.825 96.325,18.825 97.05,18.1 102.725,18.1 104.15,16.675 104.15,15.3 106.6,12.85 116.725,12.85 117.375,13.5 117.375,16.2 125.225,24.05 131.525,24.05 131.975,24.5 135.425,24.5 135.975,25.05 135.975,29.875 v1(137.5,31.4)
CAM1_GPIO1: J16.12 | length 3.5
  Top w0.325: J16.12@136.5,29.625 136.5,31.4 J16.12@136.5,33.125
DSI1_CLK_N: J2.87 J15.5 | length 80.3
  Top w0.2: J2.87@88.085,38.575 88.87,38.575 v1(88.97,38.675)
  Top w0.325: J15.5@143.5,20.625 v1(143.5,22.4) J15.5@143.5,24.125
  L3 w0.1: v1(88.97,38.675) 88.979,38.675 89.179,38.475 89.508,38.475 90.05,37.933 90.725,37.258 90.725,36.31 ccw(c90.985,36.31) 90.985,36.05 92.003,36.05 cw(c92.003,35.59) 92.463,35.59 92.463,35.51 cw(c92.003,35.51) 92.003,35.05 89.279,35.05 ccw(c89.279,34.79) 89.019,34.79 89.019,34.71 ccw(c89.279,34.71) 89.279,34.45 90.265,34.45 cw(c90.265,33.99) 90.725,33.99 90.725,29.708 93.975,26.458 93.975,23.983 97.083,20.875 98.333,20.875 99.708,19.5 136.4,19.5 138.125,21.225 140.15,21.225 141.75,22.825 143.075,22.825 v1(143.5,22.4)
DSI1_CLK_P: J2.89 J15.6 | length 80.1
  Top w0.2: J2.89@88.085,38.175 88.87,38.175 v1(88.97,38.075)
  Top w0.325: J15.6@142.5,20.625 v1(142.5,22.4) J15.6@142.5,24.125
  L3 w0.1: v1(88.97,38.075) 88.979,38.075 89.179,38.275 89.425,38.275 90.525,37.175 90.525,36.31 ccw(c90.985,36.31) 90.985,35.85 92.003,35.85 cw(c92.003,35.59) 92.263,35.59 92.263,35.51 cw(c92.003,35.51) 92.003,35.25 89.279,35.25 ccw(c89.279,34.79) 88.819,34.79 88.819,34.71 ccw(c89.279,34.71) 89.279,34.25 90.265,34.25 cw(c90.265,33.99) 90.525,33.99 90.525,29.625 93.775,26.375 93.775,23.9 97,20.675 98.25,20.675 99.625,19.3 136.483,19.3 138.208,21.025 140.233,21.025 141.079,21.871 141.304,21.871 141.525,21.65 141.7,21.65 141.9,21.85 141.9,22.025 141.65,22.275 141.65,22.442 141.833,22.625 142.275,22.625 v1(142.5,22.4)
DSI1_D0_N: J2.75 J15.8 | length 80.1
  Top w0.2: J2.75@88.085,40.975 88.87,40.975 v1(88.97,41.075)
  Top w0.325: J15.8@140.5,20.625 v1(140.5,22.4) J15.8@140.5,24.125
  L3 w0.1: v1@88.961,41.075 v1(88.97,41.075) 89.17,40.875 90.933,40.875 91.883,39.925 93.133,39.925 93.775,39.283 93.775,37.95 93.775,34.335 ccw(c94.035,34.335) 94.035,34.075 95.093,34.075 cw(c95.093,33.615) 95.553,33.615 95.553,33.535 cw(c95.093,33.535) 95.093,33.075 92.257,33.075 ccw(c92.257,32.815) 91.997,32.815 91.997,32.735 ccw(c92.257,32.735) 92.257,32.475 93.315,32.475 cw(c93.315,32.015) 93.775,32.015 93.775,27.808 94.675,26.908 94.675,24.908 97.433,22.15 97.925,22.15 100.025,20.05 136,20.05 138.775,22.825 140.075,22.825 v1(140.5,22.4)
DSI1_D0_P: J2.77 J15.9 | length 79.9
  Top w0.2: J2.77@88.085,40.575 88.87,40.575 v1(88.97,40.475)
  Top w0.325: J15.9@139.5,20.625 v1(139.5,22.4) J15.9@139.5,24.125
  L3 w0.1: v1@88.961,40.475 v1(88.97,40.475) 89.17,40.675 90.85,40.675 91.8,39.725 93.05,39.725 93.575,39.2 93.575,37.95 93.575,34.335 ccw(c94.035,34.335) 94.035,33.875 95.093,33.875 cw(c95.093,33.615) 95.353,33.615 95.353,33.535 cw(c95.093,33.535) 95.093,33.275 92.257,33.275 ccw(c92.257,32.815) 91.797,32.815 91.797,32.735 ccw(c92.257,32.735) 92.257,32.275 93.315,32.275 cw(c93.315,32.015) 93.575,32.015 93.575,27.725 94.475,26.825 94.475,24.825 97.35,21.95 97.842,21.95 99.942,19.85 100.425,19.85 136.083,19.85 138.116,21.884 138.291,21.884 138.55,21.625 138.775,21.625 138.925,21.775 138.925,21.975 138.691,22.209 138.691,22.459 138.858,22.625 139.275,22.625 v1(139.5,22.4)
DSI1_D1_N: J2.81 J15.2 | length 80.2
  Top w0.2: v1(87.2,39.875) 87.3,39.775 J2.81@88.085,39.775
  Top w0.325: J15.2@146.5,20.625 v1(146.5,22.4) J15.2@146.5,24.125
  L3 w0.1: v1@87.191,39.875 v1(87.2,39.875) 87.4,39.675 87.729,39.675 88.325,39.079 88.325,34.233 90,32.558 90,29.2 93.15,26.05 93.15,23.775 97.875,19.05 136.742,19.05 138.242,20.55 142.475,20.55 144.75,22.825 146.075,22.825 v1(146.5,22.4)
DSI1_D1_P: J2.83 J15.3 | length 80
  Top w0.2: v1(87.2,39.275) 87.3,39.375 J2.83@88.085,39.375
  Top w0.325: J15.3@145.5,20.625 v1(145.5,22.4) J15.3@145.5,24.125
  L3 w0.1: v1@87.191,39.275 v1(87.2,39.275) 87.4,39.475 87.646,39.475 88.125,38.996 88.125,34.15 89.8,32.475 89.8,29.117 92.95,25.967 92.95,23.692 97.792,18.85 136.825,18.85 138.325,20.35 142.558,20.35 144.079,21.871 144.304,21.871 144.525,21.65 144.7,21.65 144.9,21.85 144.9,22.025 144.65,22.275 144.65,22.442 144.833,22.625 145.275,22.625 v1(145.5,22.4)
EN_CM5_USB3: DSW1.4 IC1.6 IC18.4 IC26.10 IC27.10 IC29.6 IC30.6 R161.1 R162.1 | length 201.5
  Top w0.2: DSW1.4@10.85,1.66 13.965,1.66 14.9,0.725 31.2,0.725 31.975,1.5 31.975,2.85 30.325,4.5 27.8,4.5 19.65,12.65 18,12.65 16.5,14.15 16.5,14.95 17.375,15.825 v1(17.375,16.725)
  L3 w0.15: v1(21.975,19.975) 22.375,19.575 23.95,19.575 26.275,21.9 v1(26.275,22.5)
  L4 w0.1: v1(46.925,24.725) 66.975,44.775 72.15,44.775 72.575,45.2 v1(78.525,45.2) 86.5,45.2 86.675,45.375 87.925,45.375 88.25,45.05 91.183,45.05 91.733,44.5 v1(94.825,44.5)
  L4 w0.15: v1(17.375,16.725) 19.025,16.725 21.975,19.675 v1(21.975,19.975) 21.975,20.975 21.025,21.925 v1(21.025,23.125)
  Bottom w0.15: IC30.6@15.846,19.525 15.525,19.525 15.275,19.275 15.275,17.15 15.7,16.725 v1(17.375,16.725) ; v1(21.025,23.125) 21.375,23.475 IC27.10@21.975,23.475 21.975,25 21.5,25.475 IC29.6@21.5,25.698 ; IC26.10@21.975,19.55 v1(21.975,19.975) ; v1@26.275,22.475 26.7,22.05 32.2,22.05 33.825,23.675 45.875,23.675 v1(46.925,24.725) ; v1(78.525,45.2) 78.525,46.543 80.632,48.65 82.428,48.65 83.525,49.747 83.525,53.675 83.2,54 83.2,57.686 83.9,58.386 83.9,64.05 85.875,66.025 IC1.6@85.875,66.712
  Bottom w0.2: v1(94.825,44.5) 95.825,45.5 107.275,45.5 111.575,41.2 IC18.4@116.675,41.2
  Bottom w0.4: v1(11.875,1.65) R162.1@11.875,2.375 R161.1@13.012,2.374 R161.1@13.012,2.374
EN_RXA_LNA: IC12.26 IC61.3 R276.2 R286.1 | length 74.8
  Top w0.2: v1(94.275,56.875) 93.825,56.425 93.825,35.076 92.85,34.101 92.85,32.576 91.625,31.351 91.625,28.124 93.2,26.549 93.2,16.499 98.175,11.524 98.175,8.191 98.55,7.816 98.55,7.575 99.3,6.825 v1(100.15,6.825)
  Bottom w0.2: v1(94.275,56.875) 95.825,58.425 95.825,61.375 R286.1@102.55,68.1 103.7,68.1 104.2,68.6 IC61.3@106.2,68.6 ; v1(100.15,6.825) IC12.26@100.15,7.95
EN_RXB_LNA: IC12.28 IC63.3 R278.2 R288.1 | length 105.9
  Top w0.2: v1(95.85,56.875) 94.425,55.45 94.425,34.828 93.45,33.853 93.45,32.328 92.225,31.103 92.225,28.372 93.8,26.797 93.8,16.747 98.775,11.772 98.775,8.825 100.625,6.975 100.625,6.65 100.4,6.425 v1(99.65,6.425)
  Bottom w0.2: v1(95.85,56.875) 102.675,56.875 106.4,60.6 111.075,60.6 111.925,61.45 120.2,61.45 132.325,73.575 R288.1@132.825,73.575 133.975,73.575 134.472,74.072 IC63.3@136.487,74.072 ; IC12.28@98.85,7.95 98.85,7.225 v1(99.65,6.425)
EN_TXA_PA: IC12.25 IC60.3 R275.2 R285.1 | length 117.8
  Top w0.2: v1(93.525,56.875) 93.525,35.201 92.55,34.226 92.55,32.701 91.325,31.476 91.325,27.999 92.9,26.424 92.9,16.374 97.85,11.424 v1(97.85,7.95)
  Bottom w0.2: v1(93.525,56.875) 95.25,58.6 95.25,62.925 101.875,69.55 101.875,73.925 107.3,79.35 116.625,79.35 118.275,77.7 118.275,75 117.623,74.348 115.448,74.348 114.675,73.575 111.95,73.575 111.225,72.85 111.225,71.05 110.825,70.65 R275.2@110.825,67.2 111.325,67.2 111.685,67.56 IC60.3@114.277,67.56 ; v1(97.85,7.95) 97.85,7.575 99.4,6.025 99.95,6.025 100.8,6.875 IC12.25@100.8,7.95
EN_TXB_PA: IC12.27 IC62.3 R277.2 R287.1 | length 130.8
  Top w0.2: v1(95.025,56.875) 94.125,55.975 94.125,34.952 93.15,33.977 93.15,32.452 91.925,31.227 91.925,28.248 93.5,26.673 93.5,16.623 98.475,11.648 98.475,8.315 v1@99.495,7.295
  Bottom w0.2: v1(95.025,56.875) 95.425,57.275 102.65,57.275 106.275,60.9 110.875,60.9 111.725,61.75 120.076,61.75 131.525,73.199 131.525,77.875 133.975,80.325 139.825,80.325 143.475,76.675 148.55,76.675 149.525,75.7 R287.1@150.625,75.7 R277.2@151.85,75.7 152.4,75.15 154.4,75.15 155.45,74.1 IC62.3@156.125,74.1 ; v1@99.5,7.275 v1(99.5,7.3) IC12.27@99.5,7.95
ETH_LED_G: J1.17 R31.2 | length 82.2
  Top w0.2: v1(53.475,52.575) J1.17@54.085,52.575
  L3 w0.1: v1(52.85,60.925) 57.375,65.45 62.592,65.45 69.3,72.158 69.3,84.291 71.35,86.341 71.35,94.708 73.5,96.858 73.5,105.6 75.575,107.675 84,107.675 v1(85.45,106.225)
  Bottom w0.2: v1(52.85,60.925) 51.6,59.675 51.6,52.55 52.1,52.05 52.95,52.05 v1(53.475,52.575)
  Bottom w0.4: v1(85.45,106.225) R31.2@86.15,106.225
ETH_LED_Y: J1.15 R32.2 | length 70.5
  Top w0.2: J1.15@54.085,52.975 v1(54.695,52.975)
  L3 w0.1: v1@53.462,60.938 53.462,61.255 57.458,65.25 62.675,65.25 69.5,72.075 69.5,84.208 71.55,86.258 71.55,94.625 73.7,96.775 73.7,105.225 v1(74.7,106.225)
  Bottom w0.2: v1@53.462,60.938 52.65,60.125 52.65,57.7 51.95,57 51.95,52.634 52.234,52.35 52.675,52.35 53.3,52.975 v1(54.695,52.975)
  Bottom w0.4: v1(74.7,106.225) R32.2@75.4,106.225
  other v1: 53.475,60.925
ETH_TRD0_N: J1.10 J9.2 VD2.A | length 58
  Top w0.2: J1.10@57.165,54.175 57.558,54.175 59.275,55.892 59.275,56.206 89.445,86.376 J9.2@89.445,95.815 J9.2@89.985,95.815
  Bottom w0.5: VD2.A@88.15,97.475 88.2,97.425 88.2,97.06 J9.2@89.445,95.815
ETH_TRD0_P: J1.12 J9.1 VD1.A | length 56.8
  Top w0.2: J1.12@57.165,53.775 57.639,53.775 59.615,55.751 59.615,56.065 90.675,87.125 90.675,87.45 89.8,88.325 89.8,88.85 90.525,89.575 90.525,90 89.75,90.775 89.75,91.1 90.715,92.065 J9.1@90.715,93.275
  Bottom w0.5: VD1.A@90.045,91.675 90.045,92.478 J9.1@90.715,93.148
ETH_TRD1_N: J1.6 J9.6 VD4.A | length 57.7
  Top w0.2: J1.6@57.165,54.975 56.751,54.975 56.19,55.536 56.19,56.771 71.119,71.7 73.2,71.7 80,78.5 80,80.356 80.434,80.79 82.19,80.79 82.825,81.425 82.825,83.15 81.725,84.25 81.725,88.331 84.365,90.971 J9.6@84.365,95.815
  Bottom w0.5: VD4.A@84.35,97.175 84.357,97.167 J9.6@84.357,95.822
ETH_TRD1_P: J1.4 J9.3 VD3.A | length 56.8
  Top w0.2: J1.4@57.165,55.375 56.832,55.375 56.53,55.677 56.53,56.63 71.26,71.36 73.341,71.36 80.3,78.319 80.3,80.175 80.575,80.45 82.331,80.45 83.125,81.244 83.125,83.331 82.065,84.391 82.065,88.19 84.8,90.925 85.825,90.925 J9.3@88.175,93.275
  Bottom w0.5: VD3.A@88.175,91.675 J9.3@88.175,93.275
ETH_TRD2_N: J1.9 J9.8 VD6.A | length 58
  Top w0.2: J1.9@54.085,54.175 54.418,54.175 54.72,54.477 54.72,56.601 75.584,77.465 77.309,77.465 78.9,79.056 78.9,80.781 79.984,81.865 81.059,81.865 81.51,82.316 81.51,82.984 80.45,84.044 80.45,88.956 81.35,89.856 81.35,92.375 81.825,92.85 J9.8@81.825,95.815
  Bottom w0.5: J9.8@81.825,95.815 82.925,96.915 82.925,97.425 VD6.A@82.975,97.475
ETH_TRD2_P: J1.11 J9.7 VD5.A | length 58
  Top w0.2: J1.11@54.085,53.775 54.499,53.775 55.06,54.336 55.06,56.46 75.725,77.125 77.45,77.125 79.2,78.875 79.2,80.6 80.125,81.525 81.2,81.525 81.85,82.175 81.85,83.125 80.79,84.185 80.79,88.815 81.925,89.95 82.7,89.95 83.125,90.375 83.125,90.875 82.725,91.275 81.875,91.275 81.7,91.45 81.7,91.85 83.095,93.245 J9.7@83.095,93.275
  Bottom w0.5: J9.7@83.095,93.275 83.1,93.27 VD5.A@83.1,91.675
ETH_TRD3_N: J1.5 J9.10 VD8.A | length 58.3
  Top w0.2: J1.5@54.085,54.975 53.671,54.975 53.11,55.536 53.11,56.369 55.025,58.284 55.025,61.975 55.875,62.825 57.656,62.825 58.256,62.225 59.05,62.225 59.65,62.825 59.65,64.275 61.165,65.79 62.69,65.79 75.375,78.475 76.425,78.475 78,80.05 78,81.731 79.335,83.066 J9.10@79.335,95.5
  Bottom w0.5: VD8.A@78.6,94.025 78.6,95.018 79.285,95.703 J9.10@79.285,95.815
ETH_TRD3_P: J1.3 J9.9 VD7.A | length 57.5
  Top w0.2: J1.3@54.085,55.375 53.752,55.375 53.45,55.677 53.45,56.228 55.775,58.553 55.775,59.15 55.375,59.55 55.375,60.101 55.775,60.501 55.775,60.85 55.325,61.3 55.325,61.851 55.999,62.525 57.475,62.525 58.115,61.885 59.191,61.885 59.99,62.684 59.99,64.134 61.306,65.45 62.831,65.45 75.481,78.1 77.006,78.1 78.325,79.419 78.325,81.575 79.675,82.925 79.675,88.825 80.555,89.705 80.555,90.077 80.325,90.307 80.325,90.593 80.555,90.823 80.555,91.195 79.725,92.025 79.725,92.445 J9.9@80.555,93.275
  Bottom w0.5: J9.9@80.555,93.148 81.225,92.478 VD7.A@81.225,91.675
ETH_VC1: BR1.4 J9.11 J13.2 | length 24.7
  L3 w1.3: J13.2@86.071,85.079 88.929,85.079 94.525,90.675 v1@94.525,93.1 ; J9.11@90.715,98.335 J9.11@90.736,98.314
  Bottom w1.3: J9.11@90.715,98.335 92.15,96.9 95.75,96.9 96.575,96.075 BR1.4@96.575,94.85 96.575,94.2 95.475,93.1 94.225,93.1
  other v1: 94.4,92.95 94.975,92.95 94.2,93.425 94.75,93.425
ETH_VC2: BR1.3 J9.12 J13.1 | length 31.7
  L3 w1.3: J13.1@86.071,87.621 88.846,87.621 92.725,91.5 92.725,93.725 93.95,94.95 ; J9.12@88.125,99.79 88.125,103.61 89.15,104.635 92.425,104.635 94.95,102.11 94.95,96.81 94.125,95.985 94.125,95.035
  other v1: 93.525,94.535 94.725,94.535 93.525,95.135 94.725,95.135
ETH_VC3: BR2.4 J9.13 J13.4 | length 31.1
  L3 w1.3: 75.563,94.7 75.563,93.045 J13.4@83.529,85.079 ; 75.625,96.3 75,96.925 75,101.925 77.71,104.635 80.615,104.635 81.825,103.425 J9.13@81.825,99.605
  other v1: 75.025,95.05 76.225,95.05 75.025,95.65 76.225,95.65
ETH_VC4: BR2.3 J9.14 J13.3 | length 21.6
  L3 w1.3: J9.14@79.285,98.335 77.55,96.6 77.55,93.6 J13.3@83.529,87.621
  Bottom w1.3: BR2.3@73.225,95.35 73.225,96.075 74.24,97.09 78.011,97.09 79.256,98.335 J9.14@79.285,98.335